# KiCad board rabbit_mask.kicad_pcb (continued)
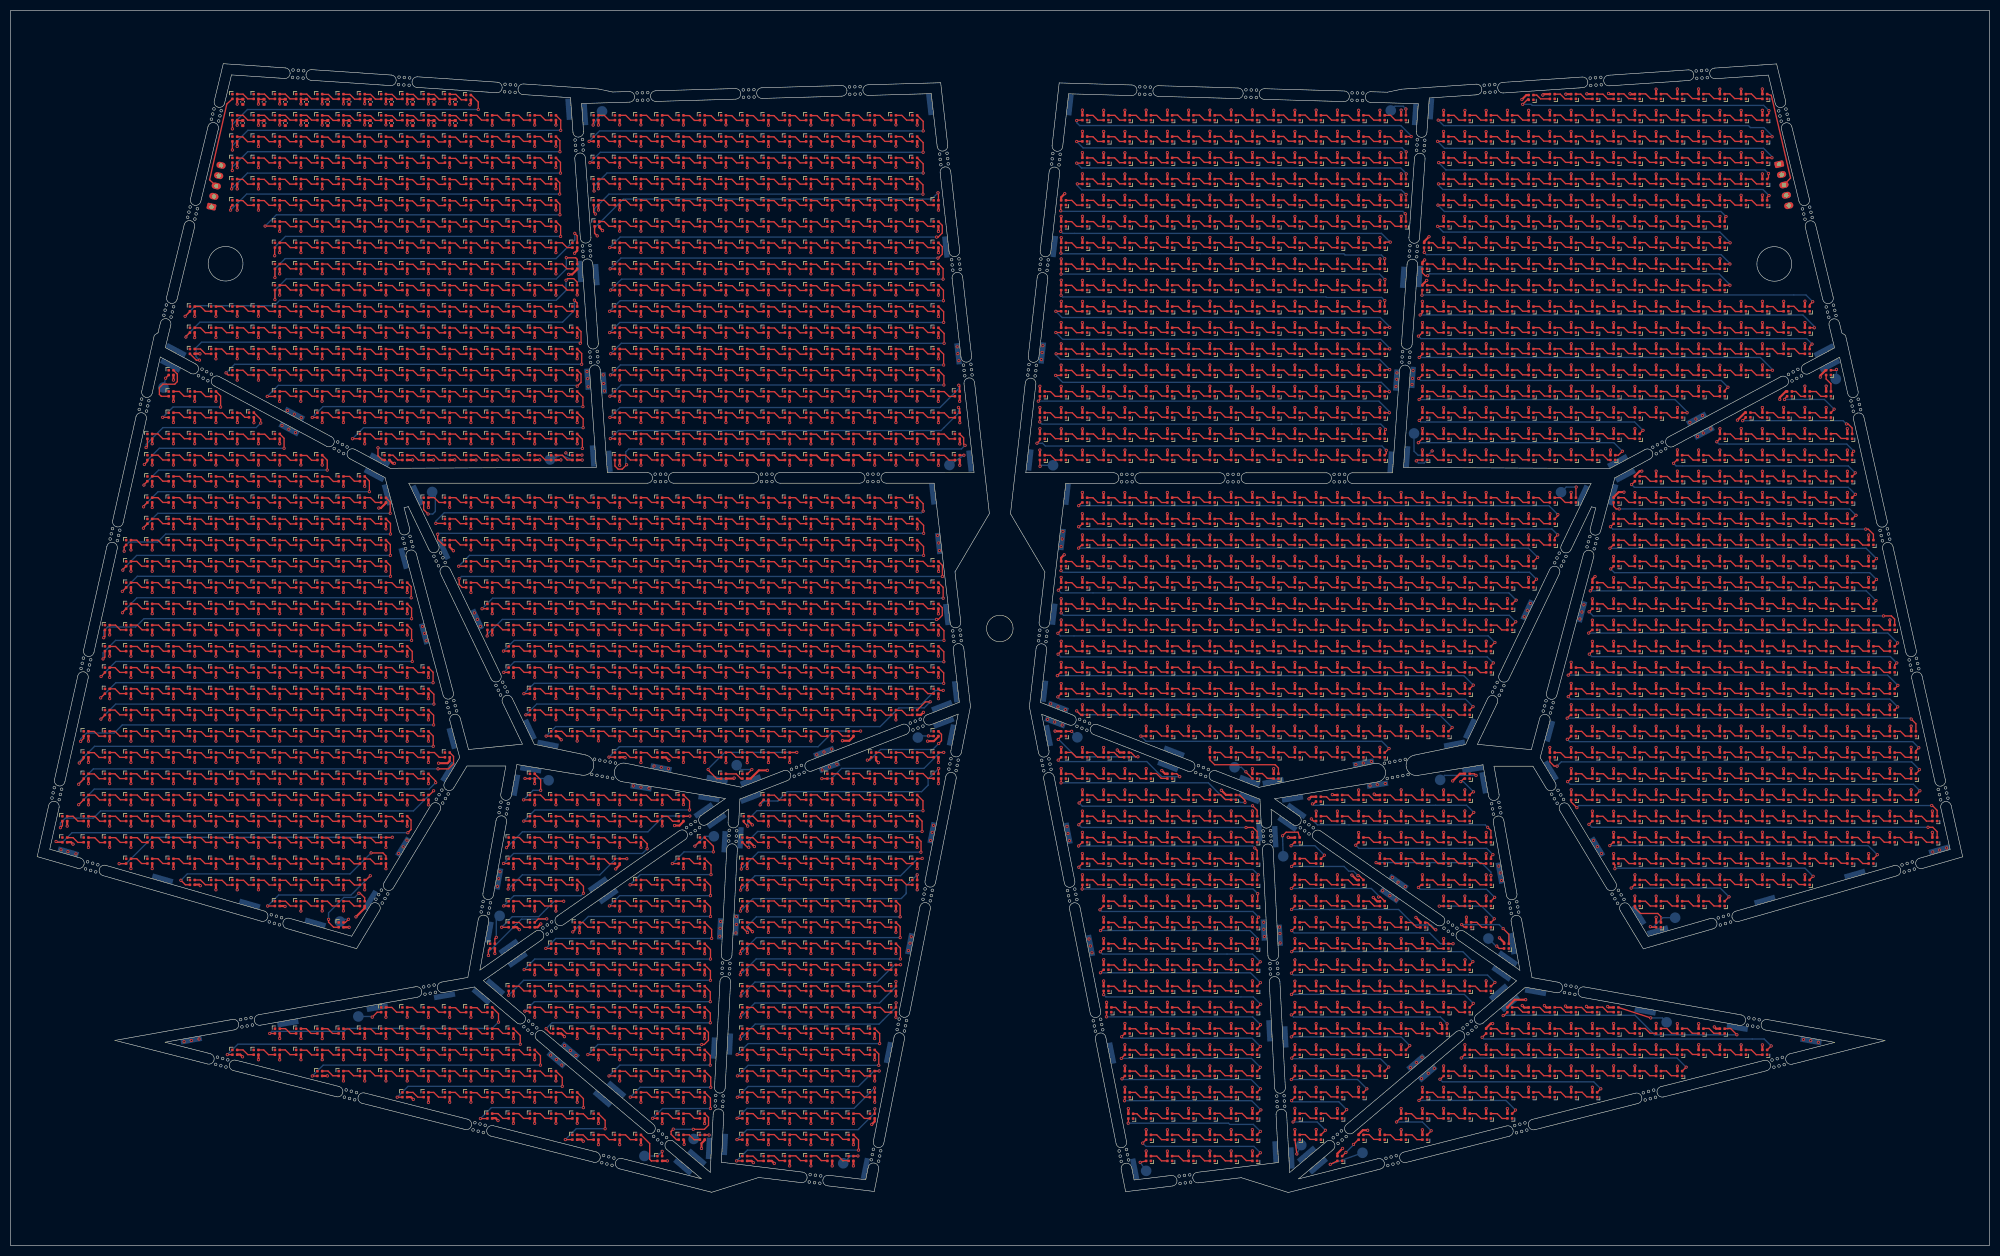
[diagram p0: board, top side]
## Routing (per net, layer and track width the routed paths; a pad name or vN(x,y) marks a point on that pad's centre or on a via; arc(x,y) is an arc through that point) (continued)
/1_IN: length 17.8
  Top w0.25: D1.1 40.7,214.96 37.45,200.66 J1485.3
/1_OUT: length 4.5
  Bottom w0.25: D1659.3 103.6,148.81 TP1500.1
/2_IN: length 4
  Top w0.25: D29.1 v1(109.65,210.99)
  Bottom w0.25: v1(109.65,210.99) TP1501.1
/2_OUT: length 4.1
  Top w0.25: D582.3 v1(179.45,148.81)
  Bottom w0.25: v1(179.45,148.81) TP1502.1
/3_IN: length 2.6
  Top w0.25: D408.1 v1(29.18,163.31)
  Bottom w0.25: v1(29.18,163.31) TP1504.1
/3_OUT: length 3
  Top w0.25: v1(63.6,61.41) 63,60.81 D1258.3
  Bottom w0.25: TP1514.1 62.4,61.41 v1(63.6,61.41)
/4_IN: length 8
  Top w0.25: v1(78.58,137.74) 77.75,138.56 D606.1
  Bottom w0.25: TP1503.1 79.95,141.29 79.95,138.21 79.48,137.74 v1(78.58,137.74)
/4_OUT: length 4.4
  Top w0.25: D1074.3 138.72,88.81 v1(139.52,89.61)
  Bottom w0.25: TP1505.1 137.5,89.61 v1(139.52,89.61)
/5_IN: length 5.5
  Top w0.25: v1(96.83,87.94) 96.85,87.91 D1072.1
  Bottom w0.25: TP1510.1 100.92,87.94 v1(96.83,87.94)
/5_OUT: length 5.6
  Top w0.25: D1276.3 91.15,57.74 v1(91.42,58.01)
  Bottom w0.25: v1(91.42,58.01) 91.42,61.44 TP1511.1
/6_IN: length 4.7
  Top w0.25: v1(68.08,42.99) 69,43.91 D1328.1
  Bottom w0.25: v1(68.08,42.99) 67.95,43.11 TP1513.1
/6_OUT: length 4.6
  Top w0.25: D1478.3 v1(122.65,17.71)
  Bottom w0.25: TP1512.1 121.77,16.84 v1(122.65,17.71)
/7_IN: length 5.6
  Top w0.25: v1(128.8,75.19) 129.52,75.91 D1171.1
  Bottom w0.25: TP1509.1 130.65,77.04 v1(128.8,75.19)
/7_OUT: length 4
  Top w0.25: v1(131.47,20.79) 131.45,20.81 D1471.3
  Bottom w0.25: TP1508.1 129.32,20.79 v1(131.47,20.79)
/8_IN: length 3.1
  Top w0.25: D1023.1 172.8,95.91 v1(172.77,95.94)
  Bottom w0.25: TP1506.1 171.07,95.94 v1(172.77,95.94)
/8_OUT: length 4.2
  Top w0.25: D1484.3 159.47,16.81 v1(159.5,16.84)
  Bottom w0.25: v1(159.5,16.84) 158.1,16.84 TP1507.1
/right_side/9_IN: length 18.6
  Top w0.25: D1496.1 331.43,216.59 331.6,215.86 335.05,201.01 J1486.3
/right_side/9_OUT: length 5.2
  Bottom w0.25: TP1486.1 264.18,149.56 264.93,148.81 D1625.3
/right_side/10_IN: length 4.6
  Top w0.25: D1512.1 v1(262.65,214.01)
  Bottom w0.25: TP1493.1 260.6,214.54 262.12,214.54 v1(262.65,214.01)
/right_side/10_OUT: length 3.7
  Top w0.25: v1(193.77,146.71) 193.75,146.74 D2031.3
  Bottom w0.25: v1(193.77,146.71) 193.97,146.91 TP1485.1
/right_side/11_IN: length 3
  Top w0.25: v1(343.7,164.96) 343.55,164.81 D1925.1
  Bottom w0.25: v1(343.7,164.96) 343.7,163.29 TP1494.1
/right_side/11_OUT: length 6.5
  Top w0.25: v1(308.65,60.01) 308.75,59.91 D2759.3
  Bottom w0.25: v1(308.65,60.01) 309.27,60.01 310.97,61.71 TP1492.1
/right_side/12_IN: length 5.3
  Top w0.25: D2101.1 294.65,142.76 v1(294.7,142.81)
  Bottom w0.25: TP1495.1 292.82,142.81 v1(294.7,142.81)
/right_side/12_OUT: length 4.3
  Top w0.25: v1(232.52,89.19) 232.52,89.15 233.75,87.92 D2545.3
  Bottom w0.25: v1(232.52,89.19) 231.68,90.04 TP1487.1
/right_side/13_IN: length 8.4
  Top w0.25: D2547.1 275.55,88.81 v1(275.85,88.51)
  Bottom w0.25: v1(275.85,88.51) 269.95,88.51 TP1496.1
/right_side/13_OUT: length 3.7
  Top w0.25: v1(279.75,56.36) 280.2,55.91 D2776.3
  Bottom w0.25: TP1491.1 279.6,56.36 v1(279.75,56.36)
/right_side/14_IN: length 9.7
  Top w0.25: D2834.1 v1(308.72,42.84)
  Bottom w0.25: TP1499.1 310.9,42.84 v1(308.72,42.84)
/right_side/14_OUT: length 8
  Top w0.25: D2968.3 v1(248.4,15.26)
  Bottom w0.25: v1(248.4,15.26) TP1490.1
/right_side/15_IN: length 8.1
  Top w0.25: v1(239.43,77.14) 240.1,77.81 242.35,77.81 D2641.1
  Bottom w0.25: TP1498.1 v1(239.43,77.14)
/right_side/15_OUT: length 4.6
  Top w0.25: D2956.3 v1(242.12,17.21)
  Bottom w0.25: v1(242.12,17.21) TP1489.1
/right_side/16_IN: length 2.6
  Top w0.25: D2475.1 v1(199.72,96.81)
  Bottom w0.25: v1(199.72,96.81) TP1497.1
/right_side/16_OUT: length 3.1
  Top w0.25: D2962.3 v1(212.62,15.64)
  Bottom w0.25: v1(212.62,15.64) TP1488.1
Net-(D1-DOUT): length 3.5
  Top w0.25: D2.1 44.65,215.91 43.75,216.81 D1.3
Net-(D2-DOUT): length 3.5
  Top w0.25: 49.8,215.91 48.7,215.91 47.8,216.81 46.7,216.81
Net-(D3-DOUT): length 3.5
  Top w0.25: 53.7,215.91 52.6,215.91 51.7,216.81 50.6,216.81
Net-(D4-DOUT): length 3.5
  Top w0.25: D4.3 55.75,216.81 56.65,215.91 D5.1
Net-(D5-DOUT): length 3.5
  Top w0.25: 58.7,216.76 59.8,216.76 60.7,215.86 61.8,215.86
Net-(D6-DOUT): length 3.5
  Top w0.25: 62.75,216.76 63.85,216.76 64.75,215.86 65.85,215.86
Net-(D7-DOUT): length 3.5
  Top w0.25: 69.75,215.86 68.65,215.86 67.75,216.76 66.65,216.76
Net-(D8-DOUT): length 3.5
  Top w0.25: 70.7,216.76 71.8,216.76 72.7,215.86 73.8,215.86
Net-(D10-DIN): length 3.5
  Top w0.25: 74.6,216.76 75.8,216.76 76.7,215.86 77.7,215.86
Net-(D10-DOUT): length 3.5
  Top w0.25: 81.7,215.86 80.65,215.86 79.75,216.76 78.6,216.76
Net-(D11-DOUT): length 3.4
  Top w0.25: D12.1 84.83,215.74 83.8,216.76 82.7,216.76
Net-(D12-DOUT): length 53.3
  Top w0.25: D12.3 86.72,216.64 88.03,215.33 v1(88.03,213.91) ; v1(41.75,210.26) D13.1
  Bottom w0.25: v1(88.03,213.91) 44.57,213.91 41.75,211.09 v1(41.75,210.26)
Net-(D13-DOUT): length 3.5
  Top w0.25: D13.3 43.75,212.81 44.65,211.91 D14.1
Net-(D14-DOUT): length 3.5
  Top w0.25: 46.7,212.81 47.8,212.81 48.7,211.91 49.8,211.91
Net-(D15-DOUT): length 3.5
  Top w0.25: 50.6,212.81 51.7,212.81 52.6,211.91 53.7,211.91
Net-(D16-DOUT): length 3.5
  Top w0.25: D17.1 56.65,211.91 55.75,212.81 D16.3
Net-(D17-DOUT): length 3.5
  Top w0.25: 58.7,212.76 59.8,212.76 60.7,211.86 61.8,211.86
Net-(D18-DOUT): length 3.5
  Top w0.25: 65.85,211.86 64.75,211.86 63.85,212.76 62.75,212.76
Net-(D19-DOUT): length 3.5
  Top w0.25: 69.75,211.86 68.65,211.86 67.75,212.76 66.65,212.76
Net-(D20-DOUT): length 3.5
  Top w0.25: 70.7,212.76 71.8,212.76 72.7,211.86 73.8,211.86
Net-(D21-DOUT): length 3.5
  Top w0.25: 77.7,211.86 76.7,211.86 75.8,212.76 74.6,212.76
Net-(D22-DOUT): length 3.5
  Top w0.25: 81.7,211.86 80.7,211.86 79.8,212.76 78.6,212.76
Net-(D23-DOUT): length 3.5
  Top w0.25: 82.7,212.76 83.8,212.76 84.7,211.86 85.8,211.86
Net-(D24-DOUT): length 3.5
  Top w0.25: D25.1 88.65,211.91 87.75,212.81 D24.3
Net-(D25-DOUT): length 3.5
  Top w0.25: 93.65,211.91 92.55,211.91 91.65,212.81 90.55,212.81
Net-(D26-DOUT): length 3.5
  Top w0.25: 97.65,211.91 96.55,211.91 95.65,212.81 94.55,212.81
Net-(D27-DOUT): length 3.5
  Top w0.25: D28.1 100.65,211.91 99.75,212.81 D27.3
Net-(D28-DOUT): length 68.6
  Top w0.25: v1(103.55,209.99) 103.55,211.91 D28.3 ; v1(41.75,206.29) D45.1
  Bottom w0.25: v1(103.55,209.99) 44.65,209.99 41.75,207.09 v1(41.75,206.29)
Net-(D29-DOUT): length 3.5
  Top w0.25: D29.3 111.75,212.81 112.65,211.91 D30.1
Net-(D30-DOUT): length 3.5
  Top w0.25: 114.7,212.81 115.8,212.81 116.7,211.91 117.8,211.91
Net-(D31-DOUT): length 3.5
  Top w0.25: 118.6,212.81 119.7,212.81 120.6,211.91 121.7,211.91
Net-(D32-DOUT): length 3.5
  Top w0.25: D32.3 123.75,212.81 124.65,211.91 D33.1
Net-(D33-DOUT): length 3.5
  Top w0.25: 126.7,212.76 127.8,212.76 128.7,211.86 129.8,211.86
Net-(D34-DOUT): length 3.5
  Top w0.25: 133.85,211.86 132.75,211.86 131.85,212.76 130.75,212.76
Net-(D35-DOUT): length 3.5
  Top w0.25: 137.75,211.86 136.65,211.86 135.75,212.76 134.65,212.76
Net-(D36-DOUT): length 3.5
  Top w0.25: 138.7,212.76 139.8,212.76 140.7,211.86 141.8,211.86
Net-(D37-DOUT): length 3.5
  Top w0.25: 145.7,211.86 144.6,211.86 143.7,212.76 142.6,212.76
Net-(D38-DOUT): length 3.5
  Top w0.25: 149.7,211.86 148.6,211.86 147.7,212.76 146.6,212.76
Net-(D39-DOUT): length 3.5
  Top w0.25: 150.7,212.76 151.8,212.76 152.7,211.86 153.8,211.86
Net-(D40-DOUT): length 3.5
  Top w0.25: D40.3 155.75,212.81 156.65,211.91 D41.1
Net-(D41-DOUT): length 3.5
  Top w0.25: 161.65,211.91 160.55,211.91 159.65,212.81 158.55,212.81
Net-(D42-DOUT): length 3.5
  Top w0.25: 165.65,211.91 164.55,211.91 163.65,212.81 162.55,212.81
Net-(D43-DOUT): length 3.5
  Top w0.25: D44.1 168.65,211.91 167.75,212.81 D43.3
Net-(D44-DOUT): length 68
  Top w0.25: v1(171.78,209.88) 171.78,211.68 D44.3 ; v1(108.89,207.91) D61.1
  Bottom w0.25: v1(108.89,207.91) 110.86,209.88 v1(171.78,209.88)
Net-(D45-DOUT): length 3.5
  Top w0.25: 42.6,208.76 43.7,208.76 44.6,207.86 45.7,207.86
Net-(D46-DOUT): length 3.5
  Top w0.25: 46.65,208.76 47.75,208.76 48.65,207.86 49.75,207.86
Net-(D47-DOUT): length 3.5
  Top w0.25: 50.55,208.76 51.65,208.76 52.55,207.86 53.65,207.86
Net-(D48-DOUT): length 3.5
  Top w0.25: 54.6,208.76 55.7,208.76 56.6,207.86 57.7,207.86
Net-(D49-DOUT): length 3.5
  Top w0.25: 58.65,208.71 59.75,208.71 60.65,207.81 61.75,207.81
Net-(D50-DOUT): length 3.5
  Top w0.25: 65.8,207.81 64.7,207.81 63.8,208.71 62.7,208.71
Net-(D51-DOUT): length 3.5
  Top w0.25: 66.6,208.71 67.7,208.71 68.6,207.81 69.7,207.81
Net-(D52-DOUT): length 3.5
  Top w0.25: 70.65,208.71 71.75,208.71 72.65,207.81 73.75,207.81
Net-(D53-DOUT): length 3.5
  Top w0.25: 74.55,208.71 75.65,208.71 76.55,207.81 77.65,207.81
Net-(D54-DOUT): length 3.5
  Top w0.25: 78.55,208.71 79.65,208.71 80.55,207.81 81.65,207.81
Net-(D55-DOUT): length 3.5
  Top w0.25: 85.75,207.81 84.65,207.81 83.75,208.71 82.65,208.71
Net-(D56-DOUT): length 3.5
  Top w0.25: D56.3 87.75,208.81 88.65,207.91 D57.1
Net-(D57-DOUT): length 3.5
  Top w0.25: 90.55,208.81 91.65,208.81 92.55,207.91 93.65,207.91
Net-(D58-DOUT): length 3.5
  Top w0.25: 97.65,207.91 96.55,207.91 95.65,208.81 94.55,208.81
Net-(D59-DOUT): length 3.5
  Top w0.25: D60.1 100.65,207.91 99.75,208.81 D59.3
Net-(D60-DOUT): length 68.2
  Top w0.25: D60.3 103.4,208.06 v1(103.4,205.96) ; v1(41.73,202.41) 41.73,203.89 D77.1
  Bottom w0.25: v1(103.4,205.96) 44.62,205.96 41.73,203.06 v1(41.73,202.41)
Net-(D61-DOUT): length 3.5
  Top w0.25: D62.1 112.65,207.91 111.75,208.81 D61.3
Net-(D62-DOUT): length 3.5
  Top w0.25: 114.7,208.81 115.8,208.81 116.7,207.91 117.8,207.91
Net-(D63-DOUT): length 3.5
  Top w0.25: 121.7,207.91 120.6,207.91 119.7,208.81 118.6,208.81
Net-(D64-DOUT): length 3.5
  Top w0.25: D64.3 123.75,208.81 124.65,207.91 D65.1
Net-(D65-DOUT): length 3.5
  Top w0.25: 129.8,207.86 128.7,207.86 127.8,208.76 126.7,208.76
Net-(D66-DOUT): length 3.5
  Top w0.25: 130.75,208.76 131.85,208.76 132.75,207.86 133.85,207.86
Net-(D67-DOUT): length 3.5
  Top w0.25: 137.75,207.86 136.65,207.86 135.75,208.76 134.65,208.76
Net-(D68-DOUT): length 3.5
  Top w0.25: 141.8,207.86 140.7,207.86 139.8,208.76 138.7,208.76
Net-(D69-DOUT): length 3.5
  Top w0.25: 145.7,207.86 144.6,207.86 143.7,208.76 142.6,208.76
Net-(D70-DOUT): length 3.5
  Top w0.25: 149.7,207.86 148.6,207.86 147.7,208.76 146.6,208.76
Net-(D71-DOUT): length 3.5
  Top w0.25: 150.7,208.76 151.8,208.76 152.7,207.86 153.8,207.86
Net-(D72-DOUT): length 3.5
  Top w0.25: D73.1 156.65,207.91 155.75,208.81 D72.3
Net-(D73-DOUT): length 3.5
  Top w0.25: 161.65,207.91 160.55,207.91 159.65,208.81 158.55,208.81
Net-(D74-DOUT): length 3.5
  Top w0.25: 162.55,208.81 163.65,208.81 164.55,207.91 165.65,207.91
Net-(D75-DOUT): length 3.5
  Top w0.25: D76.1 168.65,207.91 167.75,208.81 D75.3
Net-(D76-DOUT): length 67.6
  Top w0.25: v1(171.77,205.86) 171.77,207.69 D76.3 ; v1(109.05,203.91) D93.1
  Bottom w0.25: v1(109.05,203.91) 111,205.86 v1(171.77,205.86)
Net-(D77-DOUT): length 3.5
  Top w0.25: 42.6,204.76 43.7,204.76 44.6,203.86 45.7,203.86
Net-(D78-DOUT): length 3.5
  Top w0.25: 49.75,203.86 48.65,203.86 47.75,204.76 46.65,204.76
Net-(D79-DOUT): length 3.5
  Top w0.25: 53.65,203.86 52.55,203.86 51.65,204.76 50.55,204.76
Net-(D80-DOUT): length 3.5
  Top w0.25: 57.7,203.86 56.6,203.86 55.7,204.76 54.6,204.76
Net-(D81-DOUT): length 3.5
  Top w0.25: 61.75,203.81 60.65,203.81 59.75,204.71 58.65,204.71
Net-(D82-DOUT): length 3.5
  Top w0.25: 65.8,203.81 64.7,203.81 63.8,204.71 62.7,204.71
Net-(D83-DOUT): length 3.5
  Top w0.25: 66.6,204.71 67.7,204.71 68.6,203.81 69.7,203.81
Net-(D84-DOUT): length 3.5
  Top w0.25: 70.65,204.71 71.75,204.71 72.65,203.81 73.75,203.81
Net-(D85-DOUT): length 3.5
  Top w0.25: 74.55,204.71 75.65,204.71 76.55,203.81 77.65,203.81
Net-(D86-DOUT): length 3.5
  Top w0.25: 78.55,204.71 79.65,204.71 80.55,203.81 81.65,203.81
Net-(D87-DOUT): length 3.5
  Top w0.25: 82.65,204.71 83.75,204.71 84.65,203.81 85.75,203.81
Net-(D88-DOUT): length 3.5
  Top w0.25: D88.3 87.75,204.81 88.65,203.91 D89.1
Net-(D89-DOUT): length 3.5
  Top w0.25: 90.55,204.81 91.65,204.81 92.55,203.91 93.65,203.91
Net-(D90-DOUT): length 3.5
  Top w0.25: 97.65,203.91 96.55,203.91 95.65,204.81 94.55,204.81
Net-(D91-DOUT): length 3.5
  Top w0.25: D92.1 100.65,203.91 99.75,204.81 D91.3
Net-(D93-DOUT): length 3.5
  Top w0.25: D93.3 111.75,204.81 112.65,203.91 D94.1
Net-(D94-DOUT): length 3.5
  Top w0.25: 114.7,204.81 115.8,204.81 116.7,203.91 117.8,203.91
Net-(D95-DOUT): length 3.5
  Top w0.25: 121.7,203.91 120.6,203.91 119.7,204.81 118.6,204.81
Net-(D96-DOUT): length 3.5
  Top w0.25: D97.1 124.65,203.91 123.75,204.81 D96.3
Net-(D97-DOUT): length 3.5
  Top w0.25: 129.8,203.86 128.7,203.86 127.8,204.76 126.7,204.76
Net-(D98-DOUT): length 3.5
  Top w0.25: 130.75,204.76 131.85,204.76 132.75,203.86 133.85,203.86
Net-(D100-DIN): length 3.5
  Top w0.25: 137.75,203.86 136.65,203.86 135.75,204.76 134.65,204.76
Net-(D100-DOUT): length 3.5
  Top w0.25: 138.7,204.76 139.8,204.76 140.7,203.86 141.8,203.86
Net-(D101-DOUT): length 3.5
  Top w0.25: 142.6,204.76 143.7,204.76 144.6,203.86 145.7,203.86
Net-(D102-DOUT): length 3.5
  Top w0.25: 149.7,203.86 148.6,203.86 147.7,204.76 146.6,204.76
Net-(D103-DOUT): length 3.5
  Top w0.25: 150.7,204.76 151.8,204.76 152.7,203.86 153.8,203.86
Net-(D104-DOUT): length 3.5
  Top w0.25: D104.3 155.75,204.81 156.65,203.91 D105.1
Net-(D105-DOUT): length 3.5
  Top w0.25: 158.55,204.81 159.65,204.81 160.55,203.91 161.65,203.91
Net-(D106-DOUT): length 3.5
  Top w0.25: 165.65,203.91 164.55,203.91 163.65,204.81 162.55,204.81
Net-(D107-DOUT): length 3.5
  Top w0.25: D108.1 168.65,203.91 167.75,204.81 D107.3
Net-(D108-DOUT): length 68.6
  Top w0.25: D108.3 171.77,203.69 v1(171.77,201.95) ; v1(109.83,198.56) 109.75,198.64 D126.1
  Bottom w0.25: v1(171.77,201.95) 112.26,201.95 109.83,199.52 v1(109.83,198.56)
Net-(D110-DIN): length 67.4
  Top w0.25: D110.1 41.6,199.76 v1(41.6,198.96) ; v1(103.5,201.94) 103.5,203.96 D92.3
  Bottom w0.25: v1(103.5,201.94) 44.58,201.94 v1(41.6,198.96)
Net-(D110-DOUT): length 3.5
  Top w0.25: 45.7,199.86 44.6,199.86 43.7,200.76 42.6,200.76
Net-(D111-DOUT): length 3.5
  Top w0.25: 49.75,199.86 48.65,199.86 47.75,200.76 46.65,200.76
Net-(D112-DOUT): length 3.5
  Top w0.25: 53.65,199.86 52.55,199.86 51.65,200.76 50.55,200.76
Net-(D113-DOUT): length 3.5
  Top w0.25: 54.6,200.76 55.7,200.76 56.6,199.86 57.7,199.86
Net-(D114-DOUT): length 3.5
  Top w0.25: 61.75,199.81 60.65,199.81 59.75,200.71 58.65,200.71
Net-(D115-DOUT): length 3.5
  Top w0.25: 62.7,200.71 63.8,200.71 64.7,199.81 65.8,199.81
Net-(D116-DOUT): length 3.5
  Top w0.25: 69.7,199.81 68.6,199.81 67.7,200.71 66.6,200.71
Net-(D117-DOUT): length 3.5
  Top w0.25: 73.75,199.81 72.65,199.81 71.75,200.71 70.65,200.71
Net-(D118-DOUT): length 3.5
  Top w0.25: 74.55,200.71 75.65,200.71 76.55,199.81 77.65,199.81
Net-(D119-DOUT): length 3.5
  Top w0.25: 81.65,199.81 80.55,199.81 79.65,200.71 78.55,200.71
Net-(D120-DOUT): length 3.5
  Top w0.25: 82.65,200.71 83.75,200.71 84.65,199.81 85.75,199.81
Net-(D121-DOUT): length 3.5
  Top w0.25: D122.1 88.65,199.91 87.75,200.81 D121.3
Net-(D122-DOUT): length 3.5
  Top w0.25: 90.55,200.81 91.65,200.81 92.55,199.91 93.65,199.91
Net-(D123-DOUT): length 3.5
  Top w0.25: 97.65,199.91 96.55,199.91 95.65,200.81 94.55,200.81
Net-(D124-DOUT): length 3.5
  Top w0.25: D124.3 99.75,200.81 100.65,199.91 D125.1
Net-(D125-DOUT): length 67.4
  Top w0.25: D125.3 103.38,200.09 103.38,198.01 v1(103.35,197.99) ; v1(41.4,194.96) 41.4,195.56 D143.1
  Bottom w0.25: v1(41.4,194.96) 44.42,197.99 v1(103.35,197.99)
Net-(D126-DOUT): length 3.5
  Top w0.25: D127.1 112.65,199.91 111.75,200.81 D126.3
Net-(D127-DOUT): length 3.5
  Top w0.25: 114.7,200.81 115.8,200.81 116.7,199.91 117.8,199.91
Net-(D128-DOUT): length 3.5
  Top w0.25: 121.7,199.91 120.6,199.91 119.7,200.81 118.6,200.81
Net-(D129-DOUT): length 3.5
  Top w0.25: D130.1 124.65,199.91 123.75,200.81 D129.3
Net-(D130-DOUT): length 3.5
  Top w0.25: 129.8,199.86 128.7,199.86 127.8,200.76 126.7,200.76
Net-(D131-DOUT): length 3.5
  Top w0.25: 130.75,200.76 131.85,200.76 132.75,199.86 133.85,199.86
Net-(D132-DOUT): length 3.5
  Top w0.25: 134.65,200.76 135.75,200.76 136.65,199.86 137.75,199.86
Net-(D133-DOUT): length 3.5
  Top w0.25: 138.7,200.76 139.8,200.76 140.7,199.86 141.8,199.86
Net-(D134-DOUT): length 3.5
  Top w0.25: 142.6,200.76 143.7,200.76 144.6,199.86 145.7,199.86
Net-(D135-DOUT): length 3.5
  Top w0.25: 149.7,199.86 148.6,199.86 147.7,200.76 146.6,200.76
Net-(D136-DOUT): length 3.5
  Top w0.25: 150.7,200.76 151.8,200.76 152.7,199.86 153.8,199.86
Net-(D137-DOUT): length 3.5
  Top w0.25: D137.3 155.75,200.81 156.65,199.91 D138.1
Net-(D138-DOUT): length 3.5
  Top w0.25: 158.55,200.81 159.65,200.81 160.55,199.91 161.65,199.91
Net-(D139-DOUT): length 3.5
  Top w0.25: 165.65,199.91 164.55,199.91 163.65,200.81 162.55,200.81
Net-(D140-DOUT): length 3.5
  Top w0.25: D140.3 167.75,200.81 168.65,199.91 D141.1
Net-(D141-DOUT): length 69.1
  Top w0.25: D141.3 171.74,199.72 v1(171.74,197.97) ; v1(110.08,194.24) 109.75,194.56 D159.1
  Bottom w0.25: v1(171.74,197.97) 112.61,197.97 109.92,195.29 109.92,194.39 v1(110.08,194.24)
Net-(D143-DOUT): length 3.5
  Top w0.25: 42.6,196.76 43.7,196.76 44.6,195.86 45.7,195.86
Net-(D144-DOUT): length 3.5
  Top w0.25: 49.75,195.86 48.65,195.86 47.75,196.76 46.65,196.76
Net-(D145-DOUT): length 3.5
  Top w0.25: 53.65,195.86 52.55,195.86 51.65,196.76 50.55,196.76
Net-(D146-DOUT): length 3.5
  Top w0.25: 54.6,196.76 55.7,196.76 56.6,195.86 57.7,195.86
Net-(D147-DOUT): length 3.5
  Top w0.25: 58.65,196.71 59.75,196.71 60.65,195.81 61.75,195.81
Net-(D148-DOUT): length 3.5
  Top w0.25: 62.7,196.71 63.8,196.71 64.7,195.81 65.8,195.81
Net-(D149-DOUT): length 3.5
  Top w0.25: 66.6,196.71 67.7,196.71 68.6,195.81 69.7,195.81
Net-(D150-DOUT): length 3.5
  Top w0.25: 73.75,195.81 72.65,195.81 71.75,196.71 70.65,196.71
Net-(D151-DOUT): length 3.5
  Top w0.25: 74.55,196.71 75.65,196.71 76.55,195.81 77.65,195.81
Net-(D152-DOUT): length 3.5
  Top w0.25: 81.65,195.81 80.55,195.81 79.65,196.71 78.55,196.71
Net-(D153-DOUT): length 3.5
  Top w0.25: 82.65,196.71 83.75,196.71 84.65,195.81 85.75,195.81
Net-(D154-DOUT): length 3.5
  Top w0.25: D155.1 88.65,195.91 87.75,196.81 D154.3
Net-(D155-DOUT): length 3.5
  Top w0.25: 90.55,196.81 91.65,196.81 92.55,195.91 93.65,195.91
Net-(D156-DOUT): length 3.5
  Top w0.25: 94.55,196.81 95.65,196.81 96.55,195.91 97.65,195.91
Net-(D157-DOUT): length 3.5
  Top w0.25: D157.3 99.75,196.81 100.65,195.91 D158.1
Net-(D158-DOUT): length 61.3
  Top w0.25: v1(103.4,194.09) 103.4,196.06 D158.3 ; D179.1 49.7,191.96 v1(47.9,191.96)
  Bottom w0.25: v1(47.9,191.96) 50.03,194.09 v1(103.4,194.09)
Net-(D159-DOUT): length 3.5
  Top w0.25: D160.1 112.65,195.91 111.75,196.81 D159.3
Net-(D160-DOUT): length 3.5
  Top w0.25: 114.7,196.81 115.8,196.81 116.7,195.91 117.8,195.91
Net-(D161-DOUT): length 3.5
  Top w0.25: 121.7,195.91 120.6,195.91 119.7,196.81 118.6,196.81
Net-(D162-DOUT): length 3.5
  Top w0.25: D163.1 124.65,195.91 123.75,196.81 D162.3
Net-(D163-DOUT): length 3.5
  Top w0.25: 126.7,196.76 127.8,196.76 128.7,195.86 129.8,195.86
Net-(D164-DOUT): length 3.5
  Top w0.25: 130.75,196.76 131.85,196.76 132.75,195.86 133.85,195.86
Net-(D165-DOUT): length 3.5
  Top w0.25: 137.75,195.86 136.65,195.86 135.75,196.76 134.65,196.76
Net-(D166-DOUT): length 3.5
  Top w0.25: 138.7,196.76 139.8,196.76 140.7,195.86 141.8,195.86
Net-(D167-DOUT): length 3.5
  Top w0.25: 142.6,196.76 143.7,196.76 144.6,195.86 145.7,195.86
Net-(D168-DOUT): length 3.5
  Top w0.25: 146.6,196.76 147.7,196.76 148.6,195.86 149.7,195.86
Net-(D169-DOUT): length 3.5
  Top w0.25: 150.7,196.76 151.8,196.76 152.7,195.86 153.8,195.86
Net-(D170-DOUT): length 3.5
  Top w0.25: D171.1 156.65,195.91 155.75,196.81 D170.3
Net-(D171-DOUT): length 3.5
  Top w0.25: 158.55,196.81 159.65,196.81 160.55,195.91 161.65,195.91
Net-(D172-DOUT): length 3.5
  Top w0.25: 165.65,195.91 164.55,195.91 163.65,196.81 162.55,196.81
Net-(D173-DOUT): length 3.5
  Top w0.25: D174.1 168.65,195.91 167.75,196.81 D173.3
Net-(D174-DOUT): length 3.5
  Top w0.25: 173.7,195.91 172.6,195.91 171.7,196.81 170.6,196.81
Net-(D175-DOUT): length 72.6
  Top w0.25: v1(110.42,190.11) 109.92,190.61 109.92,191.91 ; D175.3 174.65,198.15 v1(174.57,198.23)
  Bottom w0.25: v1(174.57,198.23) 173.39,197.05 115.35,197.05 109.92,191.63 109.92,190.61 v1(110.42,190.11)
Net-(D179-DOUT): length 3.5
  Top w0.25: 53.75,191.86 52.65,191.86 51.75,192.76 50.65,192.76
Net-(D180-DOUT): length 3.5
  Top w0.25: 57.8,191.86 56.7,191.86 55.8,192.76 54.7,192.76
Net-(D181-DOUT): length 3.5
  Top w0.25: 61.85,191.81 60.75,191.81 59.85,192.71 58.75,192.71
Net-(D182-DOUT): length 3.5
  Top w0.25: 62.8,192.71 63.9,192.71 64.8,191.81 65.9,191.81
Net-(D183-DOUT): length 3.5
  Top w0.25: 69.8,191.81 68.7,191.81 67.8,192.71 66.7,192.71
Net-(D184-DOUT): length 3.5
  Top w0.25: 70.75,192.71 71.85,192.71 72.75,191.81 73.85,191.81
Net-(D185-DOUT): length 3.5
  Top w0.25: 77.75,191.81 76.65,191.81 75.75,192.71 74.65,192.71
Net-(D186-DOUT): length 3.5
  Top w0.25: 78.65,192.71 79.75,192.71 80.65,191.81 81.75,191.81
Net-(D187-DOUT): length 3.5
  Top w0.25: 85.85,191.81 84.75,191.81 83.85,192.71 82.75,192.71
Net-(D188-DOUT): length 3.5
  Top w0.25: D188.3 87.75,192.81 88.65,191.91 D189.1
Net-(D189-DOUT): length 3.5
  Top w0.25: 90.55,192.81 91.65,192.81 92.55,191.91 93.65,191.91
Net-(D190-DOUT): length 3.5
  Top w0.25: 94.55,192.81 95.65,192.81 96.55,191.91 97.65,191.91
Net-(D191-DOUT): length 3.5
  Top w0.25: D192.1 100.65,191.91 99.75,192.81 D191.3
Net-(D192-DOUT): length 61
  Top w0.25: v1(49.7,186.36) 49.7,187.86 D210.1 ; D192.3 103.52,191.94 v1(103.52,190.01)
  Bottom w0.25: v1(103.52,190.01) 51.73,190.01 49.7,187.99 v1(49.7,186.36)
Net-(D193-DOUT): length 3.3
  Top w0.25: D193.3 111.75,192.81 112.65,191.91 D194.1
Net-(D194-DOUT): length 3.5
  Top w0.25: 114.7,192.81 115.8,192.81 116.7,191.91 117.8,191.91
Net-(D195-DOUT): length 3.5
  Top w0.25: 118.6,192.81 119.7,192.81 120.6,191.91 121.7,191.91
Net-(D196-DOUT): length 3.5
  Top w0.25: D196.3 123.75,192.81 124.65,191.91 D197.1
Net-(D197-DOUT): length 3.5
  Top w0.25: 126.7,192.76 127.8,192.76 128.7,191.86 129.8,191.86
Net-(D198-DOUT): length 3.5
  Top w0.25: 133.85,191.86 132.75,191.86 131.85,192.76 130.75,192.76
Net-(D199-DOUT): length 3.5
  Top w0.25: 137.75,191.86 136.65,191.86 135.75,192.76 134.65,192.76
Net-(D200-DOUT): length 3.5
  Top w0.25: 138.7,192.76 139.8,192.76 140.7,191.86 141.8,191.86
Net-(D201-DOUT): length 3.5
  Top w0.25: 145.7,191.86 144.6,191.86 143.7,192.76 142.6,192.76
Net-(D202-DOUT): length 3.5
  Top w0.25: 146.6,192.76 147.7,192.76 148.6,191.86 149.7,191.86
Net-(D203-DOUT): length 3.5
  Top w0.25: 150.7,192.76 151.8,192.76 152.7,191.86 153.8,191.86
Net-(D204-DOUT): length 3.5
  Top w0.25: D205.1 156.65,191.91 155.75,192.81 D204.3
Net-(D205-DOUT): length 3.5
  Top w0.25: 158.55,192.81 159.65,192.81 160.55,191.91 161.65,191.91
Net-(D206-DOUT): length 3.5
  Top w0.25: 162.55,192.81 163.65,192.81 164.55,191.91 165.65,191.91
Net-(D207-DOUT): length 3.5
  Top w0.25: D208.1 168.65,191.91 167.75,192.81 D207.3
Net-(D208-DOUT): length 3.5
  Top w0.25: D208.3 171.75,192.81 172.65,191.91 D209.1
Net-(D209-DOUT): length 67.2
  Top w0.25: v1(174.3,189.89) 174.61,189.89 175.38,190.66 175.38,192.09 D209.3 ; v1(112.75,187.91) D225.1
  Bottom w0.25: v1(112.75,187.91) 114.73,189.89 v1(174.3,189.89)
Net-(D210-DOUT): length 3.5
  Top w0.25: D211.1 52.65,187.91 51.75,188.81 D210.3
Net-(D211-DOUT): length 3.5
  Top w0.25: 57.8,187.91 56.7,187.91 55.8,188.81 54.7,188.81
Net-(D212-DOUT): length 3.5
  Top w0.25: 61.7,187.91 60.6,187.91 59.7,188.81 58.6,188.81
Net-(D213-DOUT): length 3.5
  Top w0.25: D214.1 64.65,187.91 63.75,188.81 D213.3
Net-(D214-DOUT): length 3.5
  Top w0.25: 69.8,187.86 68.7,187.86 67.8,188.76 66.7,188.76
Net-(D215-DOUT): length 3.5
  Top w0.25: 70.75,188.76 71.85,188.76 72.75,187.86 73.85,187.86
Net-(D216-DOUT): length 3.5
  Top w0.25: 74.65,188.76 75.75,188.76 76.65,187.86 77.75,187.86
Net-(D217-DOUT): length 3.5
  Top w0.25: 81.8,187.86 80.7,187.86 79.8,188.76 78.7,188.76
Net-(D218-DOUT): length 3.5
  Top w0.25: 85.7,187.86 84.6,187.86 83.7,188.76 82.6,188.76
Net-(D219-DOUT): length 3.5
  Top w0.25: 89.7,187.86 88.6,187.86 87.7,188.76 86.6,188.76
Net-(D220-DOUT): length 3.5
  Top w0.25: 93.8,187.86 92.7,187.86 91.8,188.76 90.7,188.76
Net-(D221-DOUT): length 3.5
  Top w0.25: D221.3 95.75,188.81 96.65,187.91 D222.1
Net-(D222-DOUT): length 3.5
  Top w0.25: D223.1 100.65,187.91 99.75,188.81 D222.3
Net-(D223-DOUT): length 3.5
  Top w0.25: 102.75,188.81 103.85,188.81 104.75,187.91 105.85,187.91
Net-(D224-DOUT): length 65.2
  Top w0.25: D224.3 106.65,190.14 v1(106.2,190.59) ; v1(49.75,182.26) D241.1
  Bottom w0.25: v1(106.2,190.59) 106.2,189.36 102.67,185.84 51.67,185.84 D241.1 v1(49.75,182.26)